# KiCad board 2000ATX.kicad_pcb (continued)
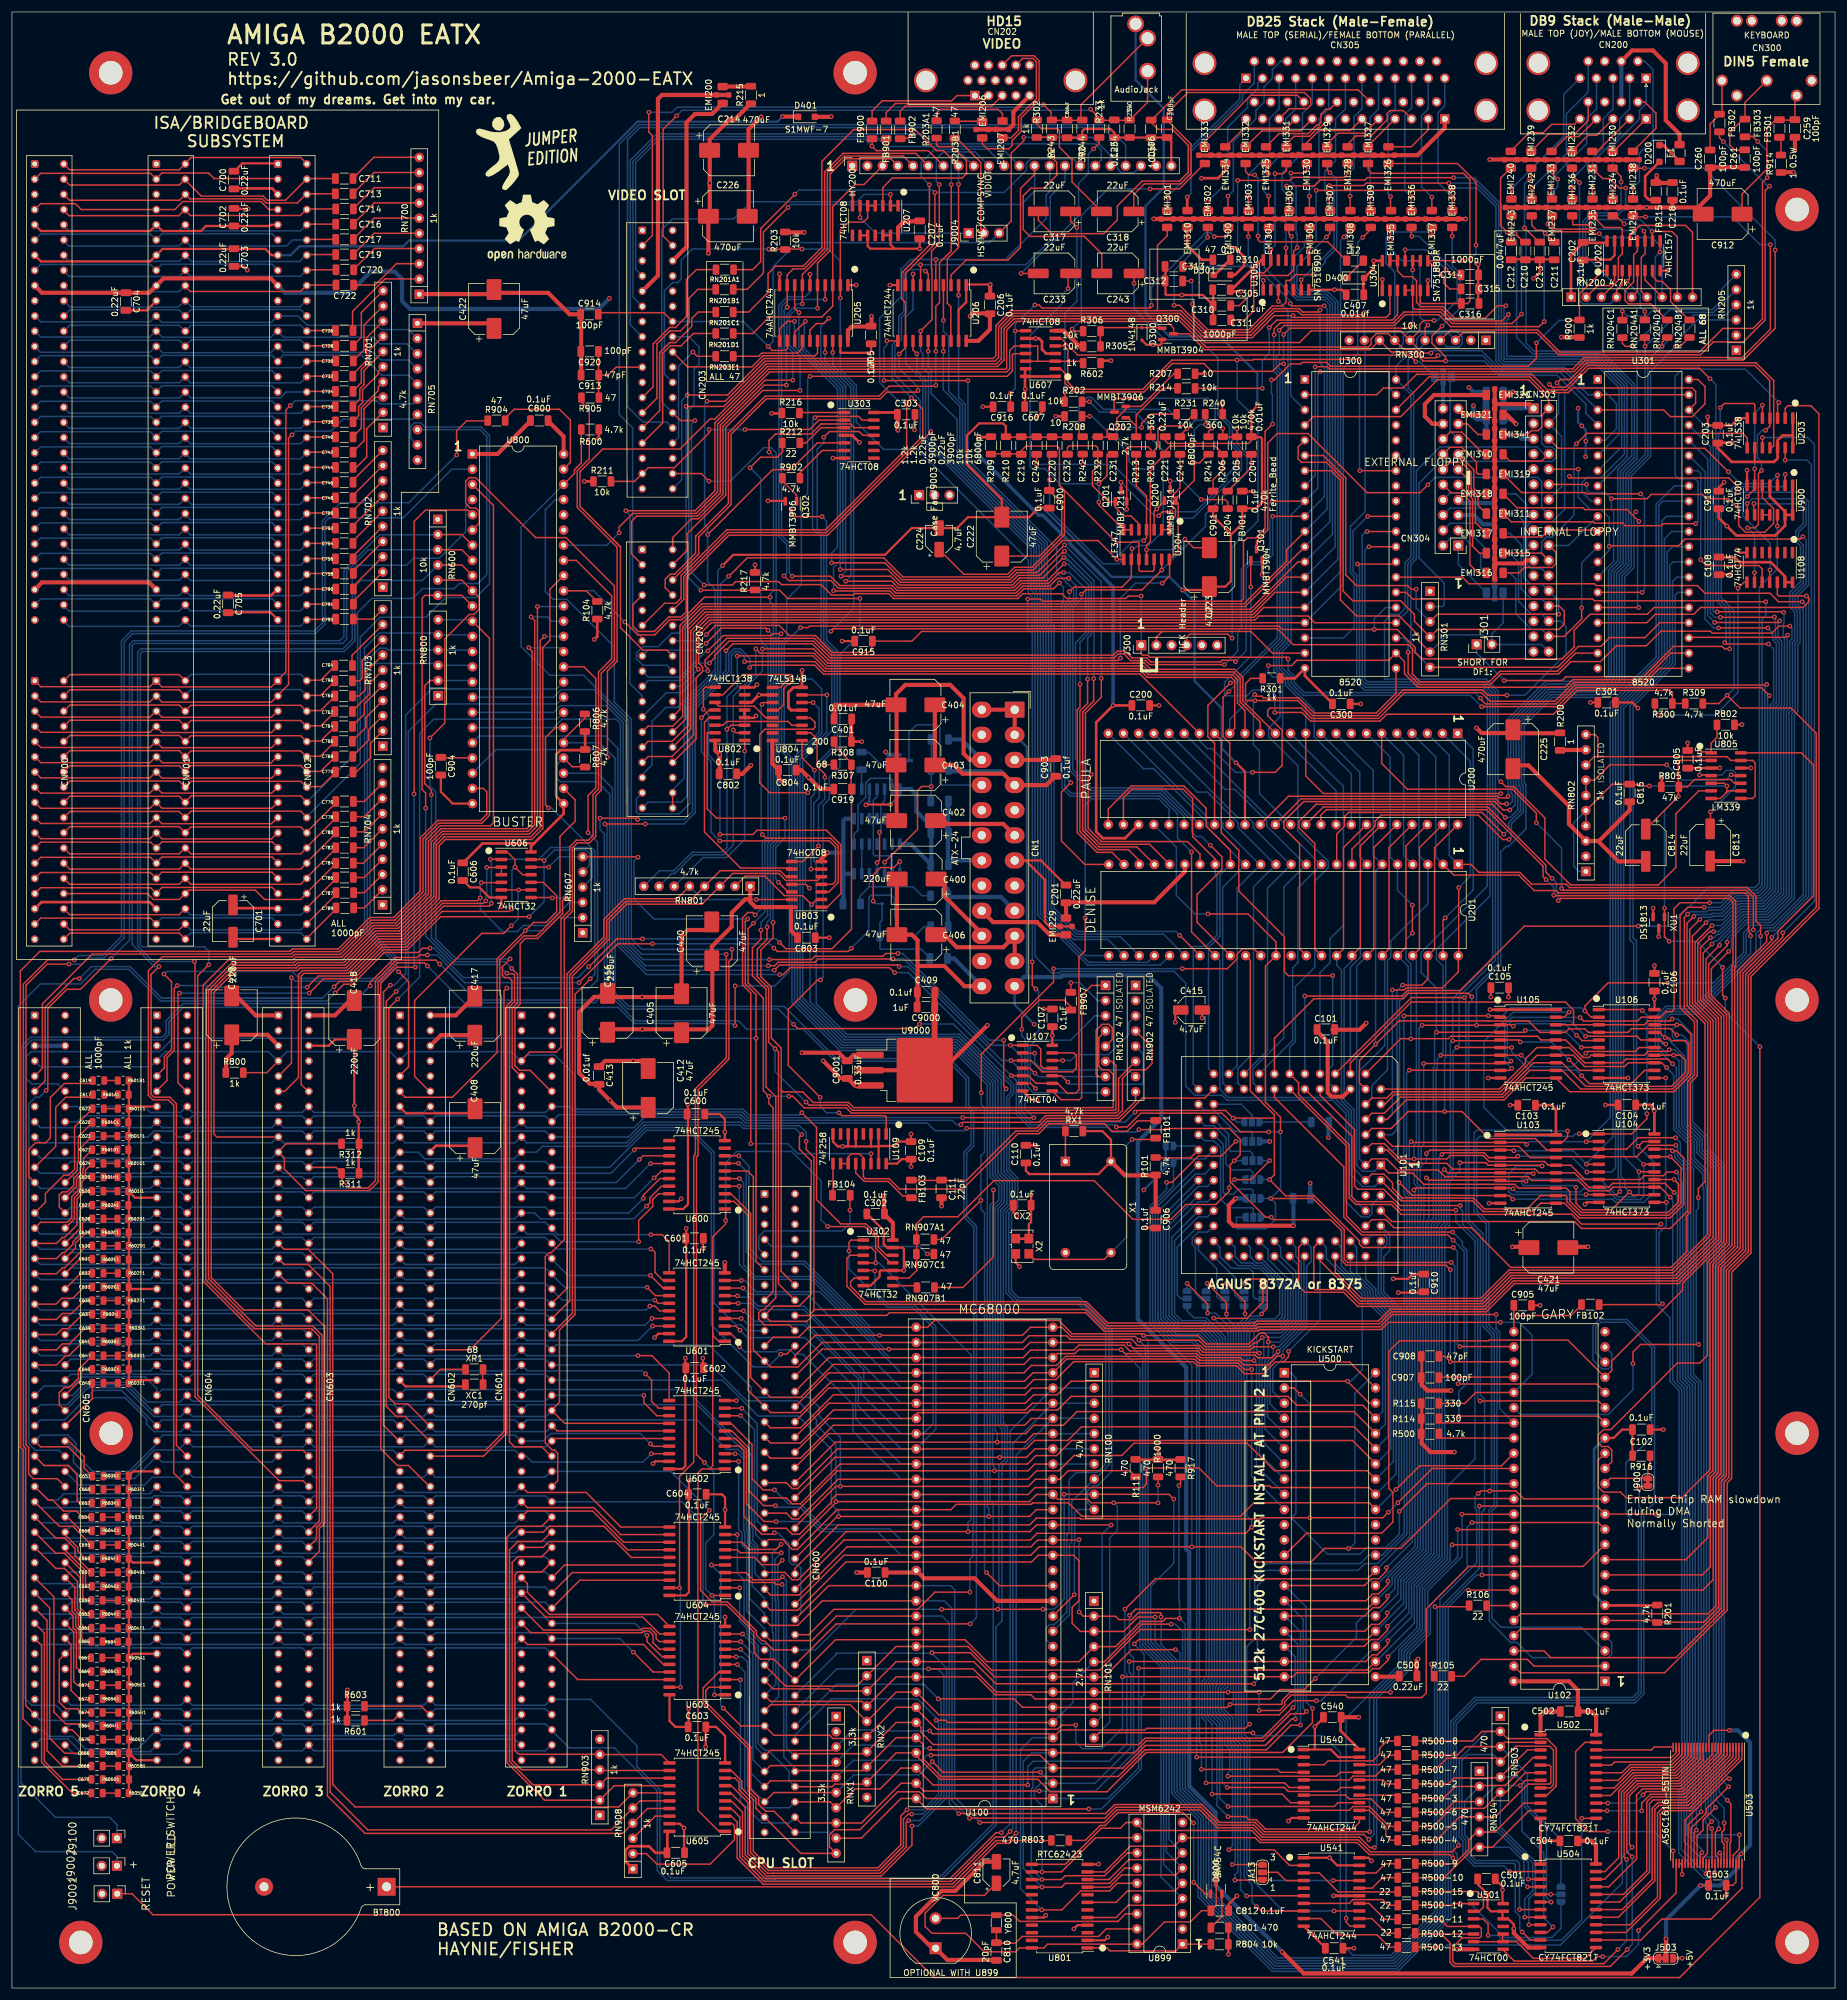
[diagram p0: board, top side]
## Routing (per net, layer and track width the routed paths; a pad name or vN(x,y) marks a point on that pad's centre or on a via; arc(x,y) is an arc through that point) (continued)
  Bottom w0.25: v1(185.42,251.61) 191.01,246.02 v1(191.72,246.02) ; v1(204.83,254.46) 203.07,252.7 203.07,251.89 197.87,246.68 v1(193.75,246.68)
Net-(Q201-S): length 25.1
  Top w0.25: C232.1 176.47,257.42 176.76,257.71 181.19,257.71 181.54,257.36 R232.1 181.54,254.32 180.64,253.42 180.64,251.05 183.37,248.33 184.47,248.33 184.47,247.43 185.93,245.97 187.09,245.97 188.42,244.65 U204.5
Net-(Q202-B): length 14.4
  Top w0.25: 187.96,261.01 187.96,262.84 192.43,267.31 194.94,267.31 ; 187.96,261.01 187.96,259.16 ; 187.96,261.01 186.62,262.35
Net-(Q202-C): length 43.6
  Top w0.25: 207.21,256.36 v1(207.21,254.81) 207.21,254.1 203.25,250.14 ; v1(188.11,265.63) 184.67,265.63 184.27,265.24 184.27,263.34 ; v1(202.44,260.6) 202.44,259.16 204.83,259.16 v1(204.83,260.55)
  Bottom w0.25: v1(202.44,260.6) 201.16,261.88 201.16,264.43 199.94,265.65 188.11,265.65 ; v1(204.83,260.55) 204.83,258.06 207.21,255.68 v1(207.21,254.81)
Net-(Q301-B): length 109.5
  Top w0.25: 207.11,238.43 v1(207.11,234.13) ; R309.1 R300.1 277.61,216.42 277.19,216.84 261.69,216.84 257.71,212.85 229.87,212.85 228.72,211.71 217.12,211.71 215.67,213.16 v1(211.12,213.16)
  Bottom w0.25: v1(211.12,213.16) 211.12,216.1 210.35,216.88 207.42,216.88 206.48,215.94 203.11,215.94 202.73,216.31 202.73,218.18 207.11,222.56 v1(207.11,234.13)
Net-(Q302-B): length 4.2
  Top w0.25: 128.87,251.77 131.18,249.46 131.18,248.51
Net-(Q302-C): length 50.7
  Top w0.25: 137.49,204.42 v1(135.69,204.42) ; 130.2,246.42 130.75,245.87 v1(135.46,245.87)
  Bottom w0.25: v1(135.69,204.42) 135.69,205.1 137.97,207.39 137.97,223.49 136.18,225.28 136.18,245.15 v1(135.46,245.87)
Net-(Q9100-B): length 6.9
  Bottom w0.25: 147.97,204.17 145.56,204.17 143.26,206.46 142.05,206.46
Net-(R203A1-Pad2): length 27.4
  Top w0.25: R203A1.2 154.58,308.02 154.91,307.69 157.24,307.69 159.59,305.34 159.59,303.19 158.84,302.45 147.19,302.45 145.61,300.86 U207.3
Net-(R212-Pad2): length 8.6
  Top w0.25: 131.65,258.19 132.74,258.19 135.28,260.73 U303.3
Net-(R216-Pad2): length 7.5
  Top w0.25: 131.7,263.27 U303.1
Net-(R902-Pad2): length 9.9
  Top w0.25: 131.67,252.3 131.67,253.13 135.46,256.92 U303.6
Net-(RN100-R7): length 254.5
  Top w0.25: v1(135.73,259.13) 136.68,260.09 141.65,260.09 142.28,259.46 U303.11
  Bottom w0.25: v1(135.73,259.13) 135.73,258.24 134.62,257.13 134.62,243.78 135.73,242.67 135.73,225.1 137.52,223.31 137.52,207.58 134.96,205.02 134.96,198.87 134.05,197.96 134.05,188.29 134.46,187.89 134.46,164.45 139.55,159.36 158.45,159.36 161.69,156.12 161.71,156.12 167.01,150.81 167.01,149.66 166.3,148.95 166.3,136.6 167.7,135.2 167.7,130.54 166.65,129.5 166.65,116.35 168.1,114.9 178.34,114.9 183.44,109.81 183.44,87.43 181.05,85.04 ; U100.12 176.82,62.39 176.82,74.2 177.18,74.57 177.18,81.27 RN100.8
Net-(RN102A-R1.1): length 27.4
  Top w0.25: U107.8 175.4,148.44 178.46,148.44 178.84,148.82 178.84,165.86 180.52,167.54 RN102.1
Net-(RN102A-R1.2): length 8.7
  Top w0.25: 177.04,166.3 v1(177.04,168)
  Bottom w0.25: RN102.2 181.51,165 178.51,168 v1(177.04,168)
Net-(RN102B-R2.1): length 24.7
  Top w0.25: U107.6 170.28,151.18 v1(171.15,150.32)
  Bottom w0.25: RN102.3 181.05,162.46 176.99,158.39 171.17,158.39 170.27,157.49 170.27,151.19 v1(171.15,150.32)
Net-(RN102C-R3.1): length 30.4
  Top w0.25: v1(171.04,152.86) 170.18,153.72 U107.4 ; RN102.7 181.7,152.3 181.25,152.74 181.25,160.01 182.29,161.04 183.37,161.04 183.95,160.46 183.95,158.5 RN102.5
  Bottom w0.25: v1(171.04,152.86) 171.6,152.3 RN102.7
Net-(RN200-R1): length 35
  Top w0.25: EMI230.1 269.04,302.69 v1(269.04,301.8) ; RN200.2 265.13,284.48 267.03,284.48 267.94,285.4 U202.2
  Bottom w0.25: RN200.2 262.63,283.12 262.63,295.17 264.07,296.61 268.24,296.61 269.04,297.41 v1(269.04,301.8)
Net-(RN200-R2): length 18.3
  Top w0.25: RN200.3 268.57,285.38 268.57,289.14 269.24,289.81 269.24,291.48 ; 264.26,296.14 266.21,294.18 268.99,294.18 269.21,293.95 U202.14
Net-(RN200-R3): length 34
  Top w0.25: v1(262.07,301.69) 261.05,302.72 261.05,303.87 ; U202.3 269.21,284.62 268.27,283.68 RN200.4
  Bottom w0.25: RN200.4 267.15,281.42 262.65,281.42 262.07,282.01 v1(262.07,301.69)
Net-(RN200-R4): length 38.9
  Top w0.25: U202.5 271.75,283.49 RN200.5 ; EMI231.1 265.96,302.36 267.11,302.36 268.69,300.79 v1(269.8,300.79)
  Bottom w0.25: RN200.5 269.28,284.09 268.57,284.09 263.08,289.57 263.08,294.99 264.26,296.16 268.43,296.16 269.8,297.54 v1(269.8,300.79)
Net-(RN200-R5): length 17
  Top w0.25: RN200.6 272.4,283.5 272.4,289.16 273.05,289.81 273.05,291.48 ; 268.2,296.14 v1(269.54,294.79) ; U202.11 273.02,293.4 v1(272.85,293.57)
  Bottom w0.25: v1(269.54,294.79) 271.63,294.79 v1(272.85,293.57)
Net-(RN200-R6): length 45.4
  Top w0.25: RN200.7 273.02,285.42 U202.6 ; v1(265.38,293.17) 263.8,293.17 263.5,293.46 257.89,293.46 256.78,294.58 v1(256.78,294.78) ; v1(258.42,302.26) 257.4,303.28 257.4,304.06
  Bottom w0.25: v1(256.78,294.78) 256.78,299.34 258.42,300.98 v1(258.42,302.26) ; RN200.7 275.89,289.35 276.26,289.72 276.26,290.42 274.17,292.51 266.04,292.51 v1(265.38,293.17)
Net-(RN200-R7): length 32.1
  Top w0.25: 274.22,292.01 v1(274.22,293.53) 277.51,293.53 278.43,292.61 RN200.8 ; v1(263.8,294.64) 260.96,294.64 260.96,296.08
  Bottom w0.25: v1(263.8,294.64) 264.68,295.52 272.23,295.52 v1(274.22,293.53)
Net-(RN200-R8): length 39.2
  Top w0.25: v1(264.57,293.93) 264.55,293.91 258.08,293.91 257.51,294.49 257.51,296.14 ; U202.13 270.48,292.91 v1(271.26,293.69) 271.41,293.84 271.43,293.84 272.14,294.54 279.81,294.54 280.97,293.37 RN200.9
  Bottom w0.25: 264.58,293.91 268.95,293.91 269.18,293.69 v1(271.26,293.69)
Net-(RN300-R3): length 118.8
  Top w0.25: 289.75,309.41 291.01,309.41 v1(291.89,308.53) ; RN300.4 240.54,277.06 255.1,277.06 258.79,273.37 282.11,273.37 286.06,277.32 291.09,277.32 292.66,278.89 292.66,301.72 v1(293.47,302.53)
  Bottom w0.25: RN300.4 239.94,274.21 241.89,274.21 242.48,274.8 242.48,275.88 241.44,276.91 233.64,276.91 232.61,275.88 232.61,274.8 230.27,272.46 230.27,267.37 U300.39 ; v1(291.89,308.53) 293.47,306.95 v1(293.47,302.53)
Net-(RN700-R1): length 16.4
  Top w0.25: 56.95,276.96 56.95,280.18 62.37,285.6 67.89,285.6
Net-(RN700-R2): length 12.3
  Top w0.25: 57.05,284.58 60.72,284.58 64.27,288.14 67.89,288.14
Net-(RN700-R3): length 12.3
  Top w0.25: 57.05,287.12 60.61,290.68 67.89,290.68
Net-(RN700-R4): length 12.4
  Top w0.25: 57,289.66 60.56,293.22 67.89,293.22
Net-(RN700-R5): length 12.4
  Top w0.25: 57,292.2 60.56,295.76 67.89,295.76
Net-(RN700-R6): length 12.4
  Top w0.25: 57,294.74 60.56,298.3 67.89,298.3
Net-(RN700-R7): length 12.4
  Top w0.25: 57,297.28 60.56,300.84 67.89,300.84
Net-(RN700-R8): length 12.4
  Top w0.25: 56.95,299.82 60.51,303.38 67.89,303.38
Net-(RN700-R9): length 12.4
  Top w0.25: 56.95,302.36 60.51,305.92 67.89,305.92
Net-(RN701-R1): length 11.7
  Top w0.25: RN701.2 59.31,260.55 59.31,255.84 57.57,254.1 56.95,254.1
Net-(RN701-R2): length 12
  Top w0.25: 56.95,256.64 58.86,258.55 58.86,263.89 60.81,265.84 RN701.3
Net-(RN701-R3): length 11.3
  Top w0.25: 56.95,259.18 58.41,260.64 58.41,264.08 61.25,266.92 61.25,267.58 RN701.4
Net-(RN701-R4): length 11.3
  Top w0.25: 56.95,261.72 57.96,262.73 57.96,264.26 58.61,264.92 58.61,267.05 61.25,269.69 61.25,270.12 RN701.5
Net-(RN701-R5): length 11.3
  Top w0.25: RN701.6 58.86,270.26 58.86,267.93 58.16,267.23 58.16,265.5 56.92,264.26
Net-(RN701-R6): length 11.3
  Top w0.25: RN701.7 59.77,273.71 59.77,271.81 58.41,270.45 58.41,268.26 56.95,266.8
Net-(RN701-R7): length 11.1
  Top w0.25: 56.9,269.58 59.31,271.99 59.31,275.79 RN701.8
Net-(RN701-R8): length 11.3
  Top w0.25: 57,271.88 58.86,273.74 58.86,277.88 RN701.9
Net-(RN701-R9): length 11.3
  Top w0.25: 57,274.42 58.41,275.83 58.41,279.97 RN701.10
Net-(RN702-R1): length 7.1
  Top w0.25: 57,231.63 RN702.2
Net-(RN702-R2): length 7.1
  Top w0.25: 57,234.17 RN702.3
Net-(RN702-R3): length 7.1
  Top w0.25: 57,236.71 RN702.4
Net-(RN702-R4): length 7.1
  Top w0.25: 56.95,239.19 RN702.5
Net-(RN702-R5): length 7.1
  Top w0.25: 56.95,241.73 RN702.6
Net-(RN702-R6): length 7.1
  Top w0.25: 56.95,244.27 RN702.7
Net-(RN702-R7): length 7.1
  Top w0.25: 56.95,246.81 RN702.8
Net-(RN702-R8): length 7.1
  Top w0.25: 56.95,249.35 RN702.9
Net-(RN702-R9): length 7.1
  Top w0.25: 56.95,251.89 RN702.10
Net-(RN703-R1): length 9.3
  Top w0.25: RN703.2 59.97,208.03 59.97,205.59 57.57,203.2 56.95,203.2
Net-(RN703-R2): length 8.9
  Top w0.25: 56.9,205.79 59.61,208.51 59.61,210.21 RN703.3
Net-(RN703-R3): length 8.9
  Top w0.25: RN703.4 59.16,212.3 59.16,210.65 56.85,208.33
Net-(RN703-R4): length 9
  Top w0.25: RN703.5 58.91,214.59 58.91,212.88 56.85,210.82
Net-(RN703-R5): length 9
  Top w0.25: RN703.6 59.77,217.98 59.77,216.23 56.85,213.31
Net-(RN703-R6): length 9.6
  Top w0.25: RN703.7 59.06,219.81 59.06,216.91 58.05,215.9 C760.1
Net-(RN703-R7): length 9.7
  Top w0.25: C796.1 58.14,218.44 58.55,218.85 58.55,221.85 RN703.8
Net-(RN703-R8): length 9
  Top w0.25: RN703.9 56.85,222.68 56.85,220.98
Net-(RN703-R9): length 5.7
  Top w0.25: 57,228.75 60.38,228.75 RN703.10
Net-(RN704-R1): length 6.2
  Top w0.25: 57.05,180.49 58.9,180.49 RN704.2
Net-(RN704-R2): length 6.2
  Top w0.25: 57.05,183.03 58.9,183.03 RN704.3
Net-(RN704-R3): length 6.2
  Top w0.25: 57,185.57 58.9,185.57 RN704.4
Net-(RN704-R4): length 6.3
  Top w0.25: 57,187.96 58.75,187.96 RN704.5
Net-(RN704-R5): length 6.3
  Top w0.25: 57,190.55 58.8,190.55 RN704.6
Net-(RN704-R6): length 6.2
  Top w0.25: 57,193.19 58.9,193.19 RN704.7
Net-(RN704-R7): length 6.2
  Top w0.25: 57,195.73 58.9,195.73 RN704.8
Net-(RN704-R8): length 6.2
  Top w0.25: 57,198.27 58.9,198.27 RN704.9
Net-(RN705-R1): length 67.2
  Bottom w0.25: 24.08,279.45 23.05,278.42 4.79,278.42 CN700.B11 ; 44.38,279.36 43.35,278.33 25.04,278.33 24.06,279.31 ; 44.4,279.4 47.8,279.4 49.36,277.84 61.07,277.84 61.79,277.12 66.31,277.12 RN705.2
Net-(RN705-R2): length 67.3
  Bottom w0.25: CN700.B12 4.79,275.88 23.05,275.88 24.08,276.91 25.14,275.85 43.29,275.85 44.4,276.96 ; 44.4,276.83 45.38,275.85 60.4,275.85 61.51,274.74 66.02,274.74 67.79,272.97
Net-(RN705-R3): length 67.3
  Bottom w0.25: CN700.B13 4.79,273.34 23.05,273.34 24.08,274.37 25.19,273.26 43.24,273.26 44.4,274.42 ; 44.4,274.29 45.38,273.31 60.4,273.31 61.68,272.04 66.31,272.04 RN705.4
Net-(RN705-R4): length 68
  Bottom w0.25: CN700.B14 4.79,272.76 23.15,272.76 24.08,271.83 25.06,272.81 43.47,272.81 44.4,271.88 45.38,272.86 58.44,272.86 61.8,269.5 66.31,269.5 RN705.5
Net-(RN705-R5): length 111.2
  Top w0.25: v1(46.53,264.44) 45.8,263.7 45.8,219.94 44.4,218.54 ; 24.08,218.4 25.06,217.42 43.37,217.42 44.4,218.45 ; CN700.D1 4.79,217.46 23.05,217.46 24.08,218.49
  Bottom w0.25: v1(46.53,264.44) 47.34,265.24 60.98,265.24 61.51,264.71 67.02,264.71 RN705.6
Net-(RN705-R6): length 109.2
  Top w0.25: v1(46.81,259.54) 46.25,258.97 46.25,217.82 44.42,216 ; 24.1,215.86 25.08,214.88 43.39,214.88 44.42,215.91 ; CN700.D2 4.82,214.92 23.07,214.92 24.1,215.95
  Bottom w0.25: RN705.7 67.02,262.17 55.34,262.17 53.33,260.16 47.44,260.16 v1(46.81,259.54)
Net-(RN705-R7): length 136.9
  Top w0.25: CN700.C9 9.69,199.15 27.95,199.15 28.93,198.17 29.96,199.2 48.27,199.2 49.25,198.22
  Bottom w0.25: 49.25,198.12 57.78,206.65 57.78,229.83 60.15,232.2 67.05,232.2 67.05,232.25 68.64,233.84 73.94,233.84 74.8,234.7 77.9,234.7 79.38,236.18 79.38,259.25 78.23,260.4 RN705.8
Net-(RN705-R8): length 143.9
  Top w0.25: CN700.C10 9.69,196.61 27.95,196.61 28.93,195.63 29.96,196.66 48.27,196.66 49.25,195.68
  Bottom w0.25: RN705.9 66.67,258.99 66.67,260.94 67.25,261.53 68.33,261.53 69.01,260.85 78.42,260.85 79.83,259.44 79.83,234.65 78.57,233.39 78.56,233.39 77.53,232.35 72.5,232.35 69.2,229.06 61.56,229.06 58.23,225.74 58.23,204.67 49.25,195.68
Net-(RN802A-R1.1): length 50.1
  Top w0.25: U805.9 286.92,200.05 286.51,199.64 ; 270.46,201.09 272.21,201.09 272.44,200.86 v1(273.76,200.86) ; 286.51,199.64 286.72,199.85 v1(286.72,200.86) 286.26,201.32 U805.5 ; 286.51,199.64 285.65,198.78 U805.7 ; 270.39,201.17 267.56,201.17 RN802.5 RN802.4
  Bottom w0.25: RN802.1 261.98,186.59 261.11,187.45 261.11,194.72 RN802.5 ; v1(286.72,200.86) v1(273.76,200.86)
Net-(RN802C-R3.2): length 31
  Top w0.25: v1(276.66,204.39) 267.14,204.39 264.57,201.83 RN802.7 RN802.6 ; v1(287.43,202.74) 287.58,202.59 U805.11
  Bottom w0.25: v1(276.66,204.39) 279.22,201.83 286.51,201.83 v1(287.43,202.74)
Net-(RN802D-R4.2): length 42.8
  Top w0.25: 265.14,205.76 264.53,205.76 RN802.8 ; 265.14,205.76 286.75,205.76 287.37,205.13 U805.13 291.03,205.13 291.44,204.72 291.44,199.19 291.03,198.78 U805.8 ; 265.14,205.76 265.14,208.97 264.65,209.45 RN802.10
Net-(RN902B-R2.1): length 18.2
  Top w0.25: U107.12 v1(175.69,154.99)
  Bottom w0.25: RN902.3 186.73,161.33 186.73,159.33 183.37,155.96 177.96,155.96 176.99,154.99 v1(175.69,154.99)
Net-(RN902C-R3.1): length 22.5
  Top w0.25: U107.10 175.46,152.45 v1(176.53,151.38)
  Bottom w0.25: RN902.5 189.13,156.11 189.13,151.23 188.93,151.03 176.89,151.03 v1(176.53,151.38)
Net-(RN902D-R4.1): length 21.3
  Top w0.25: v1(170.99,156.21) 169.03,156.21
  Bottom w0.25: RN902.7 186.73,153.42 172.26,153.42 170.99,154.69 v1(170.99,156.21)
Net-(RN907B1-Pad2): length 3.8
  Top w0.25: U302.8 151.08,117.36
Net-(RN908-R1): length 23.4
  Top w0.25: RN908.2 106.07,22.45 107.82,20.7 116.71,20.7 120.78,24.77 120.78,27.11 120.44,27.46 U605.2
Net-(RN908-R2): length 7.7
  Top w0.25: RN908.3 107.54,28.73 U605.18
Net-(U102A-_BLIT): length 199.1
  Top w0.25: v1(290.12,248.06) 290.12,246.19 ; U102.15 267.47,87.94 267.47,89.91 266.9,90.48 265.83,90.48 265.22,91.09 265.22,92.44 266.09,93.31 267.3,93.31 278.43,104.44 282.18,104.44 283.46,105.73 283.46,121.28 286.66,124.48 286.66,162.67 283.66,165.68 283.66,171.08 286.77,174.19 v1(286.77,174.75)
  Bottom w0.25: v1(286.77,174.75) 286.77,175.32 289.95,178.5 293.81,178.5 297.56,182.24 297.56,212.9 298.14,213.48 298.14,224.68 298.5,225.04 298.5,230.12 297.69,230.93 297.69,233.02 299.49,234.82 299.49,241.1 298.69,241.89 298.69,243.27 299.94,244.51 299.94,248.19 299.26,248.87 290.93,248.87 v1(290.12,248.06)
Net-(U102A-_DTACK): length 4.6
  Top w0.25: 246.48,63.91 251.05,63.91
Net-(U102A-_LATCH): length 16.5
  Top w0.25: 251.1,112.37 260.65,112.37 262.48,114.2 ; 251.1,112.37 251.1,114 ; 251.1,112.37 U102.25
Net-(U102A-_VPA): length 27.3
  Top w0.25: 240.64,52.1 242.8,52.1 245.63,54.92 253.35,54.92 254.48,53.8 U102.2
Net-(U102C-DKWDB): length 248.6
  Top w0.25: v1(292.66,259.08) 292.66,257.11 ; U102.45 252.23,60 282.33,60 285.76,63.44 285.76,84.68 286.61,85.53 286.61,119.98 289.84,123.21 289.84,169.4 296.06,175.62 v1(296.06,176.33)
  Bottom w0.25: v1(292.66,259.08) 300.23,259.08 301.35,257.96 301.35,181.61 v1(296.06,176.33)
Net-(U102C-DKWEB): length 238.6
  Top w0.25: v1(294.23,175.57) 294.23,175.06 288.94,169.77 288.94,123.58 285.71,120.35 285.71,85.9 284.86,85.05 284.86,63.81 283.59,62.54 252.23,62.54 U102.44 ; 296.47,257.11 v1(296.47,255.32)
  Bottom w0.25: v1(296.47,255.32) 300.08,255.32 300.84,254.57 300.84,182.18 v1(294.23,175.57)
Net-(U102C-MTRON): length 263.1
  Top w0.25: v1(296.47,252.93) 296.44,252.91 U900.2 ; 282.69,214.64 285.36,214.64 286.74,216.02 v1(286.76,216.02) 288.89,213.89 297.44,213.89 301.66,209.67 301.66,180.58 290.29,169.21 290.29,123.02 287.06,119.79 287.06,85.34 286.21,84.49 286.21,63.25 284.59,61.63 284.59,61.61 278.2,55.21 257.28,55.21 256.15,56.34 U102.46
  Bottom w0.25: v1(286.76,216.02) 287.9,217.15 287.9,230.16 285.77,232.29 285.77,246.86 286.98,248.07 286.98,249.95 287.91,250.88 295.96,250.88 296.47,251.38 v1(296.47,252.93)
Net-(U102C-MTRX): length 254.7
  Top w0.25: U203.2 296.46,263.95 296.93,264.41 300.74,264.41 302.11,263.04 302.11,180.39 290.74,169.03 290.74,122.83 287.51,119.6 287.51,85.15 286.77,84.41 286.77,63.14 276.29,52.67 252.23,52.67 U102.47
Net-(U108B-C): length 34.3
  Top w0.25: U900.6 v1(291.36,253.85) ; U108.11 293.88,236.93 v1(293.93,236.98) ; 291.36,250.47 v1(290.12,249.22) ; U203.5 v1(292.65,264.5)
  Bottom w0.25: v1(290.12,249.22) 289.39,248.5 289.39,245.99 293.93,241.45 v1(293.93,236.98) ; v1(292.65,264.5) 291.36,263.2 v1(291.36,253.85)
Net-(U108B-~{Q}): length 36.4
  Top w0.25: v1(288.57,233.9) 289.59,234.91 U108.8 ; R300.2 274.68,213.32 275.26,212.74 v1(275.26,212.72)
  Bottom w0.25: v1(275.26,212.72) 284.78,212.72 288.56,216.5 288.56,233.88 v1(288.57,233.9)
Net-(U109-I0d): length 63.6
  Top w0.25: 140.03,138.61 139.81,138.39 ; U109.13 142.35,138.74 141.7,139.38 140.33,139.38 139.81,138.85 U109.11 U109.10 ; 142.35,136.99 142.35,135.55 142.66,135.24 146.68,135.24 148.41,133.51 158.95,133.51 168.2,142.76 171.68,142.76 173.34,144.42 182.67,144.42 183.93,143.16 186.44,143.16 188.18,144.9 191.21,144.9
Net-(U109-Zc): length 11.7
  Top w0.25: 141.08,136.99 141.08,136.19 142.47,134.79 146.49,134.79 148.94,132.34 150.39,132.34
Net-(U109-Zd): length 4.5
  Top w0.25: 137.27,136.99 137.27,132.48
Net-(U200-LEFT): length 109.2
  Top w0.25: U204.13 v1(192.23,236.93) 188.93,233.64 179.53,233.64 v1(178.82,232.92) ; 202.36,262.99 202.36,264.89
  Bottom w0.25: v1(178.82,232.92) 178.82,232.12 177.37,230.67 177.37,203.61 180.45,200.53 192.46,200.53 198.53,194.47 ; v1(192.23,236.93) 199.56,244.26 199.56,246.26 206.49,253.2 206.49,255.76 204.01,258.24 204.01,261.11 202.34,262.79 v1(202.34,264.92)
Net-(U200-P0X): length 151.8
  Top w0.25: 252.8,291.67 v1(251.31,293.17) 250.7,293.78 EMI243.1 ; v1(252.37,279.7) 250.8,278.13 240.79,278.13 238.86,280.06 232.74,280.06 230.94,278.26 212.06,278.26 211.02,277.22 v1(211.02,276.25) ; U200.32 201.07,207.99 199.94,209.11 199.94,214.32 v1(203.71,218.08)
  Bottom w0.25: v1(203.71,218.08) 203.99,218.08 211.55,225.64 211.55,269.63 210.94,270.24 210.94,276.16 v1(211.02,276.25) ; v1(251.31,293.17) 252.37,292.1 v1(252.37,279.7)
Net-(U200-P0Y): length 155.3
  Top w0.25: 257.86,291.67 v1(256.33,293.21) 255.81,293.73 254.91,293.73 254.1,294.54 254.1,296.14 ; v1(211.87,277) 212.69,277.81 231.13,277.81 232.93,279.61 238.55,279.61 240.54,277.62 255.32,277.62 v1(256.17,278.47) ; U200.33 203.61,208.03 202.48,209.15 202.48,215.69 v1(203.45,216.66)
  Bottom w0.25: v1(256.17,278.47) 256.17,293.05 v1(256.33,293.21) ; v1(211.87,277) 211.87,273.01 211.39,272.53 211.39,270.43 212,269.82 212,225.45 204.43,217.89 204.43,217.64 v1(203.45,216.66)
Net-(U200-P1X): length 181.3
  Top w0.25: 250.6,304.16 248.89,302.45 248.89,294.52 v1(249.99,293.42) 250.65,292.76 250.65,291.67 ; U200.35 213.43,199.15 242.32,199.15 248.29,199.15 248.56,198.88 249.88,198.88 v1(250.14,199.14)
  Bottom w0.25: v1(250.14,199.14) 250.14,212.08 256.42,218.37 266.01,218.37 266.94,219.29 266.94,236.94 268.48,238.48 268.48,253.72 270.81,256.05 270.81,267.83 265.54,273.1 254.25,273.1 251.56,275.79 251.56,291.85 v1(249.99,293.42)
Net-(U200-P1Y): length 180.2
  Top w0.25: v1(249.89,197.87) 248.94,197.87 248.1,198.7 215.52,198.7 U200.36 ; v1(253.75,302.36) 254,302.62 EMI239.2 ; 255.34,291.67 v1(252.88,294.13)
  Bottom w0.25: v1(249.89,197.87) 250.45,197.87 250.86,198.28 250.86,199.48 250.59,199.76 250.59,211.9 256.61,217.92 266.2,217.92 267.39,219.11 267.39,236.75 268.93,238.29 268.93,253.43 271.26,255.76 271.26,268.02 265.72,273.55 254.44,273.55 253.13,274.86 253.13,293.89 v1(252.88,294.13) 252.88,301.5 v1(253.75,302.36)
Net-(U200-RIGHT): length 112.3
  Top w0.25: 178.84,265.07 v1(180.14,265.07) ; 190.4,259.16 v1(190.4,260.71) ; U204.9 187.15,235.66 185.57,234.09 177.55,234.09 v1(176.78,233.32) ; v1(187.25,240.54) 187.25,238.82
  Bottom w0.25: 176.64,231.85 176.78,231.99 ; 176.64,231.85 176.64,231.86 ; 176.64,231.85 176.43,231.64 ; 176.78,231.99 176.43,231.64 ; 176.78,231.99 v1(176.78,233.32) ; 176.43,231.64 176.02,231.23 176.02,200.69 177.08,199.63 192.09,199.63 195.99,195.74 U200.30 ; v1(187.25,240.54) 187.71,240.54 188.23,241.06 190.04,241.06 192.47,243.5 192.47,256.9 190.4,258.98 v1(190.4,260.71) 187.76,263.35 181.86,263.35 v1(180.14,265.07)
Net-(U201A-B0): length 117.8
  Top w0.25: U206.11 v1(146.27,275.24) ; U201.24 179.37,187.76 175.46,191.67 175.46,199.85 v1(177.04,201.42) ; v1(159.82,268.6) v1(145.79,268.6)
  Bottom w0.25: v1(146.27,275.24) 146.27,274.54 145.79,274.06 v1(145.79,268.6) ; v1(159.82,268.6) 159.82,255.48 174.67,240.64 174.67,236.52 177.51,233.67 177.51,232.08 176.47,231.04 176.47,201.99 v1(177.04,201.42)
Net-(U201A-B1): length 118.5
  Top w0.25: v1(151.29,273.08) 150.65,273.72 U206.13
  Bottom w0.25: U201.25 179.53,172.52 172.42,179.63 172.42,227.13 171.9,227.65 171.9,233.36 171.28,233.99 171.28,240.84 152.74,259.38 152.74,268.76 151.29,270.21 v1(151.29,273.08)
Net-(U201A-B2): length 119.7
  Top w0.25: v1(153.19,273.52) U206.15
  Bottom w0.25: U201.26 183.24,175.21 177.47,175.21 172.87,179.82 172.87,227.32 172.35,227.83 172.35,233.55 171.73,234.17 171.73,241.03 158.02,254.73 158.02,262.09 153.67,266.45 153.67,270.52 153.19,271 v1(153.19,273.52)
Net-(U201A-B3): length 121.5
  Top w0.25: v1(155.71,273.49) 155.73,273.51 U206.17
  Bottom w0.25: 173.32,227.51 172.8,228.02 172.8,233.73 172.18,234.36 172.18,241.22 158.47,254.92 158.47,264.3 155.71,267.06 v1(155.71,273.49) ; 173.32,227.51 173.32,226.73 ; 173.32,227.51 173.32,226.73 ; 173.32,226.73 173.32,180.1 177.76,175.66 185.33,175.66 U201.27
Net-(U201A-BURST): length 172.6
  Top w0.25: v1(180.44,202.79) 179.92,202.27 179.92,193.8 182.14,191.58 196.54,191.58 198.63,189.49 U201.18 ; v1(130.45,235.92) 136.83,235.92 138.39,234.35 147.15,234.35 147.96,233.54 167.64,233.54 168.81,234.71 173.29,234.71 175.1,236.52 v1(175.82,236.52) ; U205.4 v1(135.95,282.16)
  Bottom w0.25: v1(130.45,235.92) 129.98,236.39 129.98,241.39 128.66,242.71 128.66,280.99 129.83,282.16 v1(135.95,282.16) ; v1(180.44,202.79) 177.82,205.42 177.82,224.77 179.54,226.5 179.54,233.77 176.79,236.52 v1(175.82,236.52)
Net-(U201A-G0): length 141.5
  Top w0.25: U206.8 v1(150.65,286.42)
  Bottom w0.25: v1(150.65,286.42) 150.65,280.44 149.44,279.24 149.44,271.42 152.29,268.57 152.29,259.19 170.83,240.66 170.83,233.8 171.45,233.18 171.45,227.46 171.94,226.97 171.94,226.58 171.96,226.57 171.96,179.45 180.02,171.39 189.88,171.39 U201.28
Net-(U201A-G1): length 150.4
  Top w0.25: v1(152.74,286.89) 153.19,286.44 U206.6
  Bottom w0.25: v1(152.74,286.89) 152.72,286.89 152.46,287.15 149.86,287.15 149.54,286.83 149.54,279.97 148.71,279.14 148.71,275.46 147.61,274.36 147.61,269.54 151.84,265.32 151.84,259.01 170.38,240.47 170.38,233.61 171,232.99 171,227.28 171.49,226.78 171.49,225.76 171.51,225.75 171.51,179.26 179.83,170.94 191.97,170.94 U201.29
Net-(U201A-G2): length 137.3
  Top w0.25: U206.4 v1(155.74,278.67)
  Bottom w0.25: U201.30 192.5,176.11 177.97,176.11 173.77,180.31 173.77,227.69 173.25,228.21 173.25,233.92 172.63,234.54 172.63,241.4 158.92,255.1 158.92,264.48 156.61,266.79 156.61,275.96 155.73,276.84 155.73,278.66 v1(155.74,278.67)
Net-(U201A-G3): length 138.4
  Top w0.25: v1(195.25,175.89) U201.31 ; U206.2 158.27,282.87 v1(158.26,282.87)
  Bottom w0.25: v1(158.26,282.87) 158.27,282.86 158.27,265.78 159.37,264.67 159.37,255.29 173.08,241.59 173.08,234.73 173.7,234.11 173.7,228.39 174.22,227.88 174.22,227.36 174.22,180.5 178.15,176.56 194.59,176.56 v1(195.25,175.89)
Net-(U201A-PIXELSW): length 192.9
  Top w0.25: v1(129.08,235.97) 129.86,235.19 136.92,235.19 138.21,233.9 146.97,233.9 147.78,233.09 148.41,233.09 167.83,233.09 169,234.26 173.5,234.26 174.8,235.56 v1(176.68,235.56) ; v1(133.41,286.38) U205.6 ; v1(200.36,190.96) 202.29,189.02 202.29,186.9 198.12,182.73 198.12,178.1 U201.33
  Bottom w0.25: v1(129.08,235.97) 129.53,236.42 129.53,241.2 128.21,242.53 ; v1(200.36,190.96) 198.88,192.43 197.97,192.43 197.26,193.14 197.26,195.1 192.28,200.08 180.26,200.08 176.92,203.42 176.92,230.85 177.96,231.9 177.96,234.28 v1(176.68,235.56) ; 128.21,242.52 128.21,281.18 129.64,282.61 132.62,282.61 133.41,283.4 v1(133.41,286.38)
Net-(U201A-R0): length 159
  Top w0.25: v1(182.12,218.85) 182.12,215.69 179.47,213.04 179.47,193.61 181.95,191.13 190.18,191.13 U201.20 ; U205.11 128.33,277.24 129.6,278.51 v1(130.81,278.51) ; v1(175.98,241.15) 171.34,236.51 168.01,236.51 166.84,235.34 148.75,235.34 145.95,238.15 v1(137.03,238.15)
  Bottom w0.25: v1(130.81,278.51) 130.81,274.34 138.02,267.13 138.02,240.74 137.03,239.75 v1(137.03,238.15) ; v1(175.98,241.15) 182.12,235.01 v1(182.12,218.85)
Net-(U201A-R1): length 152.8
  Top w0.25: U205.13 130.87,276.73 v1(132.65,278.51) ; v1(180.85,218.8) 180.85,215.05 179.02,213.22 179.02,193.43 181.77,190.68 188.09,190.68 U201.21 ; v1(138.48,237.03) 146.43,237.03 148.56,234.9 148.56,234.89 167.02,234.89 168.19,236.06 171.8,236.06 175.53,239.79 175.78,239.79 175.97,239.98 v1(175.97,240.08)
  Bottom w0.25: v1(132.65,278.51) 132.46,278.32 132.46,273.97 138.92,267.5 138.92,238.34 138.48,237.9 v1(138.48,237.03) ; v1(175.97,240.08) 180.89,235.16 180.89,218.84 v1(180.85,218.8)
Net-(U201A-R2): length 157.4
  Top w0.25: v1(138.61,235.92) 146.9,235.92 148.37,234.44 167.26,234.44 168.43,235.61 172.36,235.61 175.57,238.82 175.83,238.82 175.87,238.86 v1(175.87,239.06) ; U205.15 133.41,277.05 134.49,278.13 135.7,278.13 v1(136.59,279.02) ; v1(179.83,218.72) 179.83,214.67 178.55,213.39 178.55,193.26 181.58,190.23 186.66,190.23 188.47,188.42
  Bottom w0.25: v1(179.83,218.72) 179.83,225.52 180.44,226.13 180.44,234.78 176.65,238.58 176.36,238.58 v1(175.87,239.06) 176.16,239.06 179.76,235.47 ; v1(136.59,279.02) 135.23,277.66 135.23,271.84 139.37,267.69 139.37,236.68 v1(138.61,235.92)
